# Allegro board HB1A-AAFM.brd (continued)
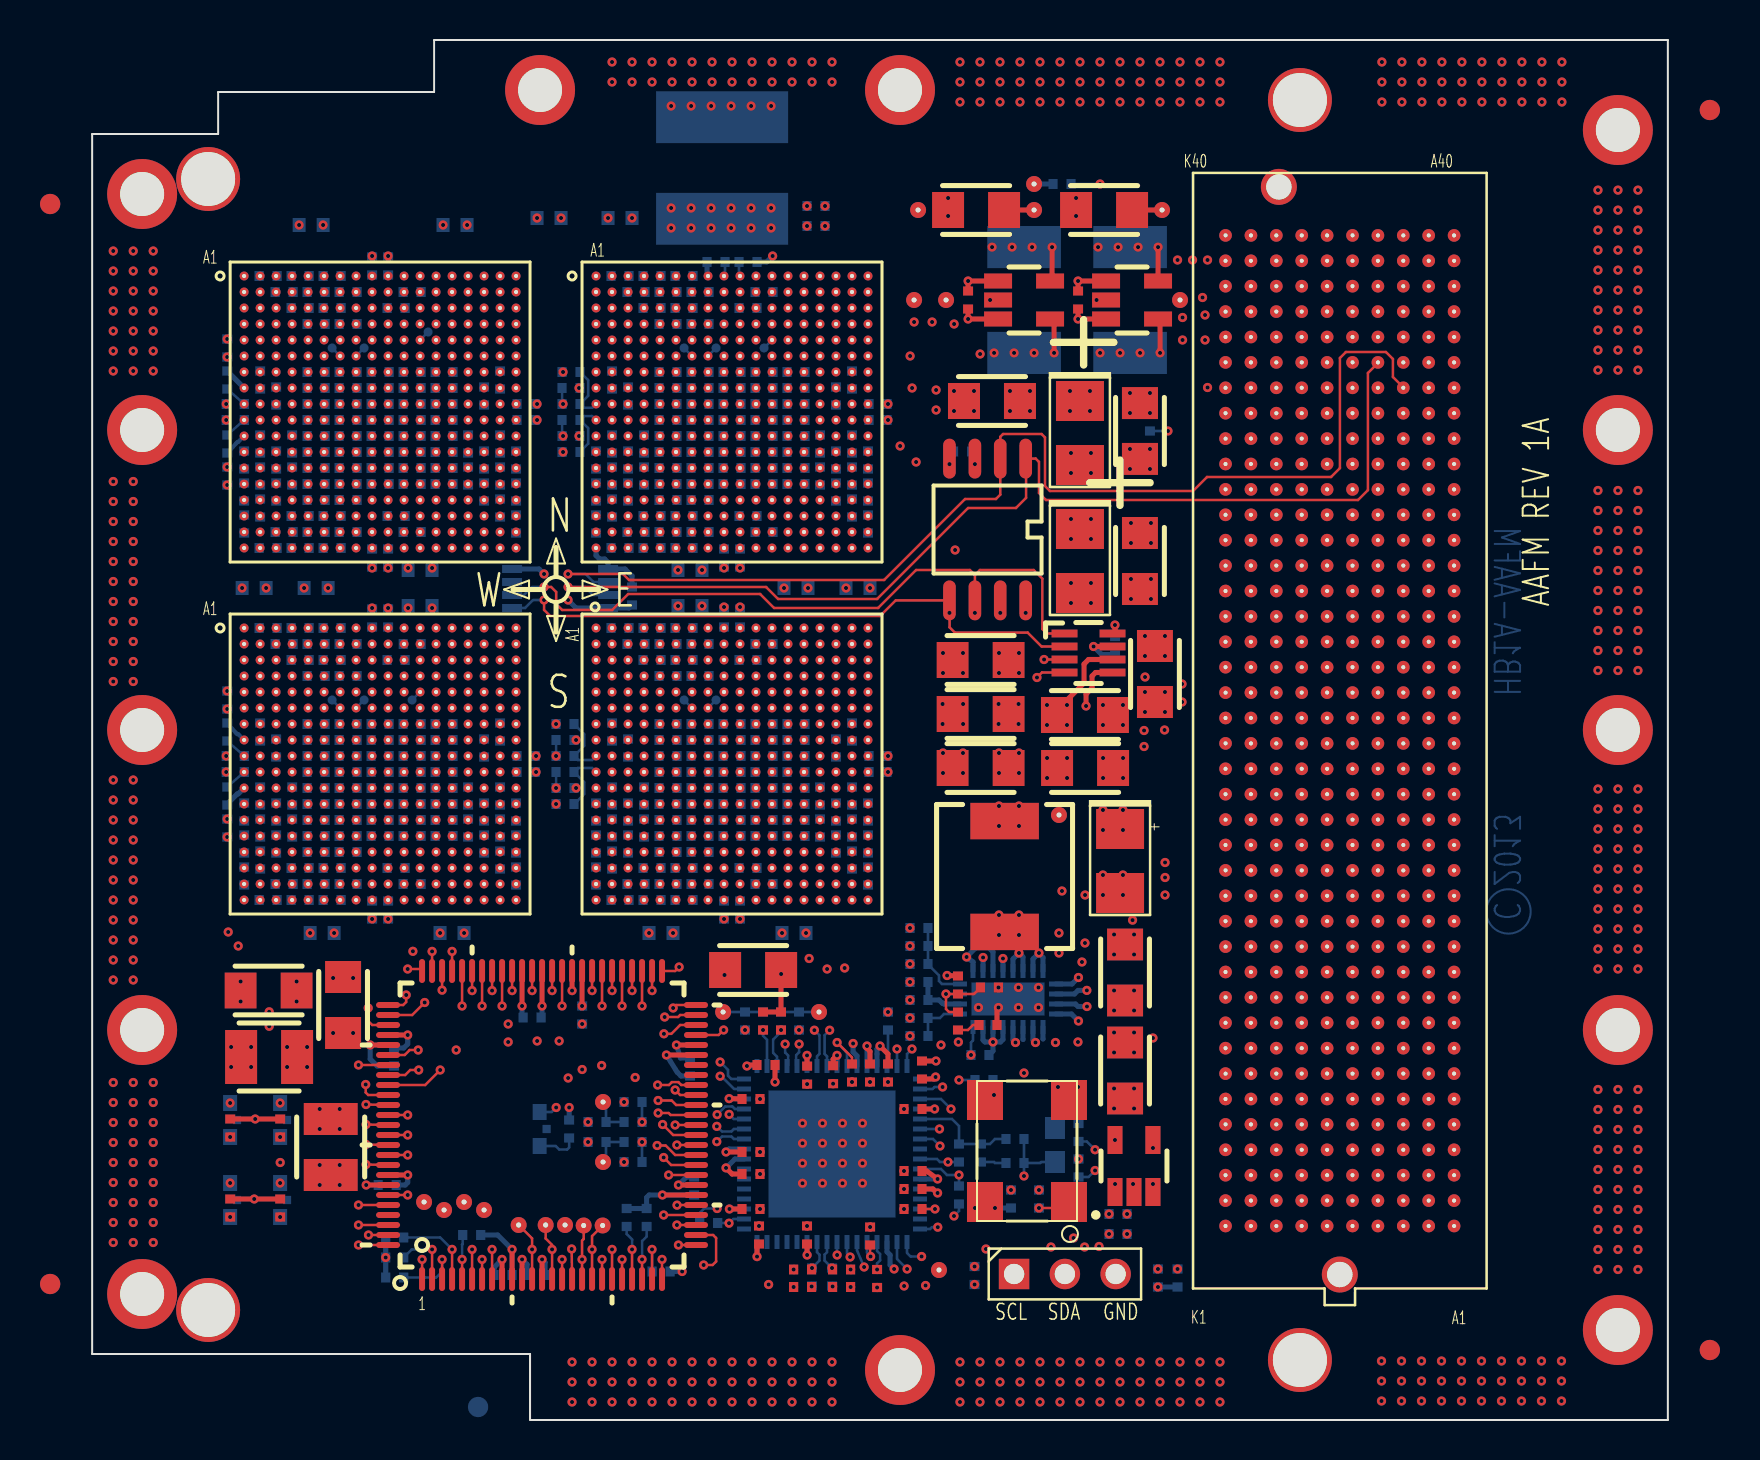
[diagram p0: board, top side]
## Routing (per net, layer and track width the routed paths; a pad name or vN(x,y) marks a point on that pad's centre or on a via; arc(x,y) is an arc through that point) (continued)
LR_UR_SN_DATA_N_2: length 55
  SIGNAL_L7-Y w0.089: U4.C4 27.2,55.2 25,55.2 24.8,55 24.8,54.6 25,54.4 27,54.4 27.2,54.2 27.2,43.27 27,43.07 27,42.79 27.2,42.59 27.2,42.31 27,42.11 27,41.83 27.2,41.63 27.2,41.41 27,41.21 27,40.93 27.2,40.73 27.2,40.55 26.95,40.3 26.95,40.1 27.2,39.85 27.2,29.8 27,29.6 24.95,29.6 24.8,29.45 24.8,29 25,28.8 27,28.8 27.2,28.6 27.2,28.2 27,28 25,28 24.8,27.8 24.8,27.4 25,27.2 27,27.2 27.2,27 27.2,25.6 27.6,25.2 30.6,25.2 31.15,24.65 32.75,24.65 33.1,25 35.4,25 36,25.6 36,26.4 U8.U14
LR_UR_SN_DATA_N_3: length 55
  SIGNAL_L4-Y w0.114: U4.D5 28.8,54.4 28.8,45.8 28.6,45.6 28.2,45.6 28,45.8 28,46.2 27.8,46.4 27.4,46.4 27.2,46.2 27.2,45.8 27,45.6 25.8,45.6 25.6,45.8 25.6,47 25.4,47.2 25,47.2 24.8,47 24.8,45.45 24.5,45.15 24.5,35.9 23.8,35.2 23.8,30.6 24.5,29.9 24.5,25.5 26.3,23.7 32.1,23.7 32.27,23.87 32.44,23.87 32.62,23.68 32.78,23.68 32.96,23.86 32.96,24.02 32.77,24.21 32.77,24.38 32.93,24.53 33.1,24.53 33.91,23.73 34.08,23.73 34.16,23.81 34.16,24.16 33.44,24.87 33.44,25.04 33.6,25.2 33.99,25.2 34.29,24.9 34.6,24.9 34.9,25.2 35.6,25.2 U8.V15
LR_UR_SN_DATA_N_4: length 54.8
  SIGNAL_L4-Y w0.114: U4.A4 28.16,57.76 28.16,58.44 28.51,58.8 34.55,58.8 34.95,58.4 35.17,58.4 35.29,58.52 35.29,58.68 35.41,58.8 35.65,58.8 35.77,58.68 35.77,58.52 35.89,58.4 36.13,58.4 36.25,58.52 36.25,58.68 36.37,58.8 36.61,58.8 36.73,58.68 36.73,58.52 36.85,58.4 37.09,58.4 37.21,58.52 37.21,58.68 37.33,58.8 37.57,58.8 37.69,58.68 37.69,58.52 37.81,58.4 38.03,58.4 38.15,58.52 38.15,58.68 38.27,58.8 38.51,58.8 38.63,58.68 38.63,58.38 38.79,58.22 38.96,58.22 39.16,58.42 39.33,58.42 39.5,58.25 39.5,58.08 39.3,57.88 39.3,57.71 39.61,57.4 39.91,57.4 40.03,57.28 40.03,57.04 39.91,56.92 39.52,56.92 39.41,56.8 39.41,56.56 39.52,56.44 39.91,56.44 40.03,56.32 40.03,56.08 39.91,55.96 39.52,55.96 39.41,55.84 39.41,55.6 39.52,55.48 39.91,55.48 40.03,55.36 40.03,55.12 39.91,55 39.52,55 39.41,54.88 39.41,54.64 39.52,54.52 39.91,54.52 40.03,54.4 40.03,54.16 39.91,54.04 39.52,54.04 39.41,53.92 39.41,53.68 39.52,53.56 39.91,53.56 40.03,53.44 40.03,53.2 39.91,53.08 39.52,53.08 39.41,52.96 39.41,52.72 39.52,52.6 39.91,52.6 40.03,52.48 40.03,52.24 39.91,52.12 39.52,52.12 39.41,52 39.41,42.59 39.58,42.42 39.58,40.98 39.41,40.8 39.41,29.16 39.05,28.8 36,28.8 U8.R14
LR_UR_SN_DATA_N_5: length 55
  SIGNAL_L11-Y w0.089: U8.T15 36.8,28 38.2,28 38.4,28.2 38.4,28.6 38.2,28.8 37,28.8 36.8,29 36.8,29.4 37,29.6 38.2,29.6 38.4,29.8 38.4,30.25 38.25,30.4 37,30.4 36.8,30.6 36.8,30.98 37,31.18 38.19,31.18 38.4,31.4 38.4,39.95 38.5,40.05 38.5,40.5 38.25,40.75 38.25,41.17 38.5,41.42 38.5,41.7 38.3,41.9 38.3,42.18 38.5,42.38 38.5,42.6 39.19,43.28 39.19,57.47 38.62,58.02 35.75,58.02 35.19,58.59 27.39,58.59 26.4,57.6 26.4,56.24 26.64,56 28,56 U4.B5
LR_UR_SN_DATA_N_6: length 55.4
  SIGNAL_L7-Y w0.089: U8.U16 37.6,27.2 37.6,30.2 37.8,30.4 38.2,30.4 38.41,30.6 38.41,31 38.2,31.2 37.8,31.2 37.6,31.41 37.6,31.8 37.8,32 38.2,32 38.41,32.2 38.41,32.6 38.2,32.8 37.8,32.8 37.6,33 37.6,33.4 37.8,33.6 38.2,33.6 38.41,33.8 38.41,34.2 38.2,34.4 37.8,34.4 37.6,34.61 37.6,40.7 37.5,40.8 37.3,40.8 37.1,41.01 37.1,42.84 37.58,43.33 37.58,54.18 37.78,54.38 38.97,54.38 39.2,54.6 39.2,55 39,55.2 38.6,55.2 38.4,55.4 38.4,55.8 38.41,55.8 38.6,56 39,56 39.2,56.2 39.2,56.6 39,56.8 38.6,56.8 38.4,57 38.4,57.4 38.2,57.6 37.8,57.6 37.6,57.4 37.6,55.4 37.4,55.2 36.2,55.2 36,55.4 36,57.4 35.7,57.7 35.41,57.7 35.2,57.5 35.2,57 35,56.8 34.6,56.8 34.41,57 34.41,57.5 34.2,57.7 33.39,57.7 33.22,57.88 33.03,57.88 32.86,57.7 29.1,57.7 28.8,57.4 28.8,56 U4.C6
LR_UR_SN_DATA_N_7: length 55
  SIGNAL_L4-Y w0.114: U4.D7 30.4,55.2 31,55.2 31.2,55 31.2,53.8 31.4,53.6 32.6,53.6 32.8,53.4 32.8,53 32.6,52.8 31.4,52.8 31.2,52.6 31.2,52.2 31.4,52 32.6,52 32.8,51.8 32.8,44.2 32.6,44 31.4,44 31.2,43.8 31.2,43.4 31,43.2 27.3,43.2 26.9,42.8 26.9,41.55 26.5,41.15 26.5,40.89 26.9,40.49 26.9,40.2 26.75,40.05 26.6,40.05 26.4,39.85 26.4,25.8 27,25.2 30,25.2 30.4,25.6 30.4,27 30.6,27.2 37.4,27.2 37.6,27 37.6,26.4 U8.V17
LR_UR_SN_DATA_P_0: length 55
  SIGNAL_L4-Y w0.114: U4.A3 26,58 25.3,58 24.8,57.5 24.8,55.4 25,55.2 29.4,55.2 29.6,55.4 29.6,57.4 29.79,57.59 34.94,57.59 35.25,57.9 38.1,57.9 38.4,57.6 38.4,43.24 38.2,43.05 38.2,42.77 38.4,42.56 38.4,42.28 38.2,42.09 38.2,41.8 38.4,41.6 38.4,30.6 38.2,30.4 33.8,30.4 33.6,30.2 33.6,28.8 U8.R11
LR_UR_SN_DATA_P_1: length 55.1
  SIGNAL_L11-Y w0.089: U8.T12 34.4,28 34.4,35.8 34.6,36 36.6,36 36.8,36.2 36.8,36.6 36.6,36.8 34.6,36.8 34.4,37 34.4,37.4 34.6,37.6 36.6,37.6 36.8,37.8 36.8,38.2 36.6,38.4 35.4,38.4 35.2,38.6 35.2,39 35.4,39.2 35.8,39.2 36,39.4 36,40 36.3,40.3 36.3,42.01 36.05,42.26 36.05,42.65 36.35,42.95 37.25,42.95 37.6,43.3 37.6,44.6 37.4,44.8 35.4,44.8 35.2,45 35.2,45.4 35.4,45.6 37.4,45.6 37.6,45.8 37.6,57.4 37.41,57.59 28.17,57.59 27.98,57.4 27.98,56.78 U4.B4
LR_UR_SN_DATA_P_2: length 54.9
  SIGNAL_L14-Y w0.114: U8.U13 34.4,26.4 30.6,26.4 30.4,26.6 30.4,27 30.2,27.2 29.8,27.2 29.6,27.4 29.6,27.8 29.4,28 28.2,28 28,28.2 28,41.25 27.8,41.45 27.8,42 27.4,42.4 26.55,42.4 26.4,42.55 26.4,43.05 26.55,43.2 28.6,43.2 28.8,43.4 28.8,43.8 28.6,44 25.8,44 25.6,44.2 25.6,44.6 25.8,44.8 28.6,44.8 28.8,45 28.8,45.4 28.6,45.6 25.8,45.6 25.6,45.8 25.6,46.2 25.8,46.4 28.6,46.4 28.8,46.6 28.8,47 28.6,47.2 28.2,47.2 28,47.4 28,47.8 28.2,48 28.6,48 28.8,48.2 28.8,48.6 28.6,48.8 28.2,48.8 28,49 28,49.4 28.2,49.6 28.6,49.6 28.8,49.8 28.8,50.2 28.6,50.4 28.2,50.4 28,50.6 28,51 28.2,51.2 28.6,51.2 28.8,51.4 28.8,51.8 28.6,52 28.2,52 28,52.2 28,55.2 U4.C5
LR_UR_SN_DATA_P_3: length 54.9
  SIGNAL_L4-Y w0.114: U4.D6 29.6,54.4 29.6,49 29.8,48.8 31,48.8 31.2,48.6 31.2,48.2 31,48 29.8,48 29.6,47.8 29.6,47.4 29.8,47.2 31,47.2 31.2,47 31.2,46.6 31,46.4 29.8,46.4 29.6,46.2 29.6,45.8 29.8,45.6 31,45.6 31.2,45.4 31.2,45 31,44.8 25.8,44.8 25.6,44.6 25.6,43.22 25.48,43.09 25.2,43.09 25.05,42.95 25.05,42.75 25.18,42.62 25.48,42.62 25.6,42.49 25.6,41.45 24.8,40.65 24.8,25.7 26.54,23.96 31.96,23.96 33.5,25.5 35.1,25.5 U8.V14
LR_UR_SN_DATA_P_4: length 55
  SIGNAL_L4-Y w0.114: U4.A5 28,56.8 27.4,56.8 27.2,57 27.2,58.15 27.35,58.3 27.7,58.3 28.5,59.1 39.2,59.1 40.38,57.91 40.38,49.84 39.8,49.25 39.8,48.96 39.8,48.95 39.8,48.45 39.8,48.44 39.8,40.83 39.62,40.65 39.62,34.08 40.2,33.5 40.2,32.15 39.62,31.57 39.62,28.62 39.2,28.2 39.2,26.6 39,26.4 38.6,26.4 38.4,26.6 38.4,27.8 38.2,28 35.2,28 U8.R13
LR_UR_SN_DATA_P_5: length 55
  SIGNAL_L14-Y w0.114: U4.B6 28.8,56 27.4,56 27.2,55.8 27.2,47.4 27,47.2 25,47.2 24.8,47 24.8,41.99 24.71,41.9 24.71,41.2 24.8,41.11 24.8,37 25,36.8 25.4,36.8 25.6,37 25.6,40.05 25.8,40.25 25.8,40.53 25.6,40.73 25.6,40.95 25.85,41.2 26.2,41.2 26.4,41 26.4,37.8 26.6,37.6 27,37.6 27.2,37.4 27.2,27.4 27.4,27.2 29.4,27.2 29.6,27 29.6,25.8 29.8,25.6 34.98,25.6 35.2,25.82 35.2,27 35.4,27.2 U8.T14
LR_UR_SN_DATA_P_6: length 55.2
  SIGNAL_L11-Y w0.089: U4.C7 29.6,55.2 25.8,55.2 25.6,55.4 25.6,57.55 26.86,58.81 32.46,58.81 32.7,59.05 35.18,59.05 35.93,58.3 38.72,58.3 39.41,57.62 39.41,40.41 39.2,40.2 39.2,27.4 39,27.2 36.8,27.2 U8.U15
LR_UR_SN_DATA_P_7: length 55
  SIGNAL_L4-Y w0.114: U8.V16 36.8,26.4 31.4,26.4 31.2,26.2 31.2,24.45 31,24.25 30.8,24.25 30.6,24.45 30.6,24.75 30.45,24.9 26.4,24.9 25.6,25.7 25.6,39.8 25.85,40.05 25.85,40.3 25.75,40.4 25.45,40.4 25.31,40.54 25.31,40.71 25.91,41.31 25.91,41.99 26.03,42.11 26.48,42.11 26.6,42.23 26.6,42.47 26.48,42.59 26.03,42.59 25.91,42.71 25.91,42.86 26.4,43.35 26.4,43.8 26.6,44 31,44 31.2,44.2 31.2,44.6 31.4,44.8 31.8,44.8 32,45 32,49.4 31.8,49.6 30.6,49.6 30.4,49.8 30.4,50.2 30.58,50.38 31.83,50.38 32,50.55 32,51 31.8,51.2 30.6,51.2 30.4,51.4 30.4,54.4 U4.D8
LR_UR_SN_FRAME_N: length 55
  SIGNAL_L11-Y w0.089: U4.B7 30.4,56 30.4,54.6 30.2,54.4 23.3,54.4 23.05,54.15 23.05,35.55 22.8,35.3 22.8,30.4 23.1,30.1 23.45,30.1 24.2,29.35 24.2,25.6 25.2,24.6 26.9,24.6 27.54,23.96 32.95,23.96 34.4,25.41 34.4,27.1 34.3,27.2 33,27.2 32.8,27.4 32.8,28 U8.R10
LR_UR_SN_FRAME_P: length 55
  SIGNAL_L14-Y w0.114: U8.R9 31.2,28 30.6,28 30.4,28.2 30.4,29.4 30.6,29.6 31,29.6 31.2,29.8 31.2,30.2 31,30.4 30.6,30.4 30.4,30.6 30.4,31 30.2,31.2 29.8,31.2 29.6,31.4 29.6,31.8 29.8,32 30.2,32 30.4,32.2 30.4,32.6 30.2,32.8 29.8,32.8 29.6,33 29.6,33.4 29.8,33.6 30.2,33.6 30.4,33.8 30.4,34.2 30.2,34.4 29.8,34.4 29.6,34.6 29.6,35 29.8,35.2 30.2,35.2 30.4,35.4 30.4,35.8 30.2,36 29.8,36 29.6,36.2 29.6,36.6 29.8,36.8 30.2,36.8 30.4,37 30.4,37.4 30.2,37.6 29.8,37.6 29.6,37.8 29.6,38.2 29.8,38.4 30.2,38.4 30.4,38.6 30.4,39 30.2,39.2 29.8,39.2 29.6,39.4 29.6,39.95 29.96,40.31 30.66,40.31 30.89,40.54 30.89,40.54 31.4,41.05 32.5,41.05 32.65,41.2 32.65,41.4 32.5,41.55 32.14,41.55 32.02,41.67 32.02,42.08 31.9,42.2 31.66,42.2 31.54,42.08 31.54,41.67 31.42,41.55 31.2,41.55 30.85,41.2 29.3,41.2 29.15,41.35 29.15,41.6 29.3,41.75 29.52,41.75 29.65,41.88 29.65,42.1 29.8,42.25 30,42.25 30.12,42.13 30.12,41.87 30.24,41.75 30.7,41.75 31.1,42.15 31.1,42.7 30.8,43 30.5,43 30.4,43.1 30.4,43.8 30.6,44 31,44 31.2,44.2 31.2,44.6 31,44.8 30.6,44.8 30.4,45 30.4,45.4 30.6,45.6 31,45.6 31.2,45.8 31.2,46.2 31,46.4 30.6,46.4 30.4,46.6 30.4,47 30.6,47.2 31,47.2 31.2,47.4 31.2,47.8 31,48 30.6,48 30.4,48.2 30.4,48.6 30.61,48.81 31.01,48.81 31.2,49 31.2,49.4 31,49.6 30.6,49.6 30.4,49.8 30.4,50.2 30.6,50.4 31,50.4 31.2,50.6 31.2,51 31,51.2 30.6,51.2 30.4,51.4 30.4,51.8 30.6,52 31,52 31.2,52.2 31.2,52.6 31,52.8 30.6,52.8 30.4,53 30.4,53.4 30.6,53.6 31,53.6 31.2,53.8 31.2,54.2 31,54.4 30.6,54.4 30.4,54.6 30.4,56 U4.B8
LR_UR_SN_LCLK_N: length 55
  SIGNAL_L7-Y w0.089: U8.V13 34.4,25.6 33,25.6 32.8,25.8 32.8,33.4 32.6,33.6 30.6,33.6 30.4,33.8 30.4,34.2 30.6,34.4 32.6,34.4 32.8,34.6 32.8,35 32.6,35.2 30.6,35.2 30.4,35.4 30.4,35.8 30.6,36 32.6,36 32.8,36.2 32.8,36.6 32.6,36.8 30.6,36.8 30.4,37 30.4,37.4 30.6,37.6 32.6,37.6 32.8,37.8 32.8,38.2 32.6,38.4 30.6,38.4 30.4,38.6 30.4,39.9 30.95,40.45 30.95,40.95 31.27,41.27 31.5,41.27 31.72,41.5 31.98,41.5 32.2,41.27 32.52,41.27 32.8,41.55 32.8,47.8 32.6,48 32.2,48 32,48.2 32,48.6 32.2,48.8 32.6,48.8 32.8,49 32.8,55.8 32.6,56 29.8,56 29.6,56.2 29.6,56.8 U4.A6
LR_UR_SN_LCLK_P: length 55
  SIGNAL_L7-Y w0.089: U4.A7 30.4,56.8 33.4,56.8 33.61,56.58 33.61,41.65 33.85,41.41 33.85,40.95 33.4,40.5 33.25,40.5 32.8,40.05 32.8,39.4 33,39.2 35,39.2 35.2,39 35.2,38.6 35,38.4 33.8,38.4 33.61,38.22 33.61,37.8 33.81,37.6 35,37.6 35.2,37.4 35.2,37 35,36.8 33.8,36.8 33.61,36.62 33.61,36.2 33.81,36 35,36 35.2,35.8 35.2,35.4 35,35.2 33.8,35.2 33.61,35.02 33.61,34.6 33.81,34.4 35,34.4 35.2,34.2 35.2,33.8 35,33.6 33.8,33.6 33.61,33.41 33.61,33 33.81,32.8 35,32.8 35.2,32.6 35.2,32.2 35,32 33.8,32 33.61,31.82 33.61,31.4 33.81,31.2 35,31.2 35.2,31 35.2,30.6 35,30.4 33.8,30.4 33.61,30.21 33.61,29.8 33.81,29.6 35,29.6 35.2,29.4 35.2,29 35,28.8 33.8,28.8 33.61,28.61 33.61,26.39 U8.V12
LR_UR_SN_RD_WAIT_N: length 55
  SIGNAL_L11-Y w0.089: U4.B9 31.2,56 31.2,53.8 31,53.6 24.2,53.6 23.96,53.36 23.96,50.86 24.08,50.74 24.43,50.74 24.55,50.62 24.55,50.38 24.43,50.26 24.08,50.26 23.96,50.14 23.96,47.03 24.08,46.91 24.38,46.91 24.5,46.79 24.5,46.55 24.38,46.43 24.08,46.43 23.96,46.31 23.96,46.07 24.08,45.95 24.38,45.95 24.5,45.83 24.5,45.59 24.38,45.47 24.08,45.47 23.96,45.35 23.96,45.11 24.08,44.99 24.38,44.99 24.5,44.87 24.5,44.63 24.38,44.51 24.08,44.51 23.96,44.39 23.96,43.21 23.4,42.65 23.4,39.96 23.75,39.61 23.75,37.39 23.96,37.18 23.96,36.96 23.84,36.84 23.62,36.84 23.5,36.72 23.5,36.48 23.62,36.36 23.84,36.36 23.96,36.24 23.96,36 23.84,35.88 23.62,35.88 23.5,35.76 23.5,35.52 23.75,35.27 23.75,30.45 24.5,29.7 24.5,25.7 25.3,24.9 30.3,24.9 31,24.2 32.8,24.2 33.6,25 33.6,26.4 U8.U12
LR_UR_SN_RD_WAIT_P: length 54.9
  SIGNAL_L11-Y w0.089: U4.B10 32,56 32,53 31.8,52.8 25,52.8 24.8,52.6 24.8,47.98 24.68,47.86 24.37,47.86 24.25,47.74 24.25,47.5 24.37,47.38 24.68,47.38 24.8,47.26 24.8,43.9 24.6,43.7 24.6,42.41 24.4,42.21 24.4,41.93 24.6,41.73 24.6,41.2 24.25,40.85 24.25,40.5 24.45,40.3 24.65,40.3 24.8,40.15 24.8,39.85 24.68,39.73 24.37,39.73 24.25,39.61 24.25,39.37 24.37,39.25 24.68,39.25 24.8,39.13 24.8,38.89 24.68,38.77 24.37,38.77 24.25,38.65 24.25,38.41 24.37,38.29 24.68,38.29 24.8,38.17 24.8,37.93 24.68,37.81 24.37,37.81 24.25,37.69 24.25,37.45 24.37,37.33 24.68,37.33 24.8,37.21 24.8,36.97 24.68,36.85 24.37,36.85 24.25,36.73 24.25,36.49 24.37,36.37 24.68,36.37 24.8,36.25 24.8,36.01 24.68,35.89 24.37,35.89 24.25,35.77 24.25,35.53 24.37,35.41 24.68,35.41 24.8,35.29 24.8,32.84 24.68,32.72 24.37,32.72 24.25,32.6 24.25,32.36 24.37,32.24 24.68,32.24 24.8,32.12 24.8,25.8 25.4,25.2 30.5,25.2 31.1,24.6 32.6,24.6 32.8,24.8 32.8,26.4 U8.U11
LR_UR_SN_WR_WAIT_N: length 55
  SIGNAL_L14-Y w0.114: U8.T11 32.8,28 32.8,30.2 33,30.4 33.4,30.4 33.6,30.6 33.6,31 33.4,31.2 32.2,31.2 32,31.4 32,31.8 32.2,32 33.4,32 33.6,32.2 33.6,32.6 33.4,32.8 32.2,32.8 32,33 32,33.4 32.2,33.6 34.2,33.6 34.4,33.8 34.4,34.2 34.2,34.4 32.2,34.4 32,34.6 32,35 32.2,35.2 34.2,35.2 34.4,35.4 34.4,35.8 34.2,36 32.2,36 32,36.2 32,36.6 32.2,36.8 34.2,36.8 34.4,37 34.4,37.4 34.2,37.6 32.2,37.6 32,37.8 32,38.2 32.2,38.4 34.2,38.4 34.4,38.6 34.4,39 34.2,39.2 33,39.2 32.8,39.4 32.8,39.8 33,40 33.95,40 34.15,40.2 34.15,40.34 34.27,40.46 34.91,40.46 35.05,40.6 35.05,40.8 34.9,40.95 34.26,40.95 34.15,41.06 34.15,42.5 33.6,43.05 33.1,43.05 32.8,43.35 32.8,54.2 32.6,54.4 32.2,54.4 32,54.6 32,55.8 31.8,56 31.2,56 U4.C8
LR_UR_SN_WR_WAIT_P: length 55
  SIGNAL_L14-Y w0.114: U4.C9 31.2,55.2 31.2,54.6 31.4,54.4 31.8,54.4 32,54.2 32,53.8 31.8,53.6 31.4,53.6 31.2,53.4 31.2,53 31.4,52.8 31.8,52.8 32,52.6 32,52.2 31.8,52 31.4,52 31.2,51.8 31.2,51.4 31.4,51.2 31.8,51.2 32,51 32,50.6 31.8,50.4 31.4,50.4 31.2,50.2 31.2,49.8 31.4,49.6 31.8,49.6 32,49.4 32,49 31.8,48.8 31.4,48.8 31.2,48.6 31.2,48.2 31.4,48 31.8,48 32,47.8 32,47.4 31.8,47.2 31.4,47.2 31.2,47 31.2,46.6 31.4,46.4 31.8,46.4 32,46.2 32,45.8 31.8,45.6 31.4,45.6 31.2,45.4 31.2,45 31.4,44.8 31.83,44.8 31.98,44.65 31.98,44.19 31.8,44 31.4,44 31.2,43.8 31.2,43.4 31.4,43.2 32.6,43.2 33,42.8 33,40.4 32.6,40 30.6,40 30.4,39.8 30.4,39.4 30.6,39.2 31.8,39.2 32,39 32,38.6 31.8,38.4 30.6,38.4 30.4,38.2 30.4,37.8 30.6,37.6 31.8,37.6 32,37.4 32,37 31.8,36.8 30.6,36.8 30.4,36.6 30.4,36.2 30.6,36 31.8,36 32,35.8 32,35.4 31.8,35.2 30.6,35.2 30.4,35 30.4,34.6 30.6,34.4 31.8,34.4 32,34.2 32,33.8 31.8,33.6 30.6,33.6 30.4,33.4 30.4,33 30.6,32.8 31.8,32.8 32,32.6 32,32.2 31.8,32 30.6,32 30.4,31.8 30.4,31.4 30.6,31.2 31.8,31.2 32,31 32,28 U8.T10
LR_XID3: length 38.3
  TOP w0.127: U9.90 v1(13.7,13.78)
  SIGNAL_L5-X w0.114: v1(13.7,13.78) 16.95,13.75 21.3,18.1 21.3,19.3 v1(20.8,19.8)
  SIGNAL_L8-X w0.089: v1(20.8,19.8) 20,20.6 20,20.88 20.53,21.4 20.53,22.73 21.58,23.77 29.13,23.77 30.4,25.05 30.4,36 30,36.4 U8.E7
LR_YID3: length 39
  TOP w0.127: U9.96 v1(13.32,10.75)
  SIGNAL_L4-Y w0.114: v1(13.32,10.75) 13.85,10.75 14.28,10.32 16.68,10.32 17.29,10.94 17.29,12.59 20.85,16.15 24.6,16.15 25.48,17.02 v1(25.48,17.73)
  SIGNAL_L12-X w0.089: v1(25.48,17.73) 26.18,17.73 27.28,18.82 27.28,19.88 31.2,23.8 31.2,35 31.4,35.2 U8.F9
MVDD_2611: length 0.6
  BOTTOM w0.127: TP30.1 U3.F8
MVDD_8849: length 0.6
  BOTTOM w0.127: TP14.1 U8.F8
MVDD_11343: length 0.6
  BOTTOM w0.127: TP13.1 U4.F8
MVDD_12570: length 0.6
  BOTTOM w0.127: TP31.1 U7.F8
MVSS_2612: length 0.6
  BOTTOM w0.127: TP32.1 U3.F7
MVSS_8850: length 0.6
  BOTTOM w0.127: TP16.1 U8.F7
MVSS_11344: length 0.6
  BOTTOM w0.127: TP15.1 U4.F7
MVSS_12571: length 0.6
  BOTTOM w0.127: TP33.1 U7.F7
N6943060_11546: length 0.7
  BOTTOM w0.127: U4.A9 31.65,57.25 R88.2
N6943064_11536: length 0.7
  BOTTOM w0.127: U4.A10 32.35,57.25 R74.2
Net_644: length 1.6
  BOTTOM w0.127: v1(40.75,7.55) 40.25,8.05 40.25,8.9
PGOOD_1V0: length 46.8
  TOP w0.127: U9.98 v1(13.32,9.75)
  SIGNAL_L11-Y w0.089: v1(44.7,8.55) 44.7,11.2 43.95,11.95 v1(43.95,18.25)
  SIGNAL_L12-X w0.089: v1(44.7,8.55) 44,8.55 43.95,8.5 42.6,8.5 41.23,7.12 34.88,7.12 33.35,8.65 32.2,8.65 30.65,10.2 29.2,10.2 28.68,10.72 20.73,10.72 19.75,9.75 v1(13.32,9.75)
  BOTTOM w0.127: U11.20 44.05,18.98 43.95,18.88 v1(43.95,18.25)
PVADJ: length 38.3
  TOP w0.254: U9.9 v1(20.5,8.03) ; U9.80 v1(13.91,18.75) ; U9.13 v1(22.5,8.03) ; U6.5 50.18,37.38 50,37.2 50,36.6 49.7,36.3 v1(49.7,35.7) ; U9.63 v1(22.5,20.7) ; U9.31 v1(28.52,11.25) ; U9.45 v1(28.72,18.25) ; U9.94 v1(13.7,11.75) ; v1(48.1,53.35) 48.1,55.05 U1.4 ; U9.59 v1(24.5,20.7)
  PWR_L2 w0.254: 58.83,59.62 P1.H40 ; P1.H40 58.83,58.84 ; P1.H40 59.61,58.84 ; P1.H40 59.61,59.62 ; 60.1,58.35 P1.G39 ; P1.G39 60.88,58.35 ; P1.G39 60.88,57.57 ; P1.G39 60.1,57.57 ; 46.66,62.25 TP1.1 ; TP1.1 47.55,62.25 ; TP1.1 46.66,61.35 ; TP1.1 47.55,61.35 ; P1.E39 63.42,58.35 ; P1.E39 62.64,57.57 ; P1.E39 63.42,57.57 ; P1.E39 62.64,58.35 ; 61.37,58.84 P1.F40 ; P1.F40 62.15,58.84 ; P1.F40 62.15,59.62 ; P1.F40 61.37,59.62
  BOTTOM w0.254: C180.1 14.25,17.7 13.91,18.05 v1(13.91,18.75) ; C118.1 29.45,17.2 29.25,17.4 v1(28.72,18.25) ; v1(22.5,8.03) 22.65,7.88 C141.1 ; v1(22.5,20.7) 22.5,20.17 C142.1 ; C136.1 v1(28.52,11.25) 27.85,11.25 27.73,11.12 R298.2 R297.2 ; C181.1 v1(13.7,11.75) ; v1(20.5,8.03) 20.1,7.63 C143.1 ; R18.2 TP1.1
  vias: v1(9.75,18.65) v1(9.75,17.65) v1(10.75,18.65) v1(10.75,17.65) v1(11.38,15.55) v1(11.38,14.55) v1(12.38,15.55) v1(12.38,14.55) v1(35.75,60.7) v1(40.9,23.7) v1(45.1,53.35) v1(45.9,51.45) v1(45.9,50.45) v1(46.1,53.35) v1(46.9,51.45) v1(46.9,50.45) v1(47.1,53.35) v1(48.9,51.45) v1(48.9,50.45) v1(49.33,13.05) v1(49.9,51.45) v1(49.9,50.45) v1(50.85,10.3) v1(51.9,51.35) v1(51.9,50.35) v1(52.9,51.35) v1(52.9,50.35)
REF_OSC: length 5
  SIGNAL_L12-X w0.089: v1(43.35,17) 42.8,17.55 41.6,17.55 41,18.15 v1(41,18.55)
  BOTTOM w0.127: U12.64 40.75,18.3 v1(41,18.55) ; R22.2 v1(43.35,17)
REFCLK_C2M: length 15.1
  SIGNAL_L12-X w0.089: v1(51.15,14) 49.6,15.55 47.8,15.55 43.66,19.7 40.55,19.7 40.25,19.4 v1(40.25,18.55)
  BOTTOM w0.127: U12.63 v1(40.25,18.55)
RIGHT_CCLK_STUB_N: length 2
  BOTTOM w0.127: R131.2 R152.1 25.7,13.05 TP18.1
RIGHT_CCLK_STUB_P: length 2
  BOTTOM w0.127: R130.2 R151.1 25.7,15.75 TP17.1
SS_1V0: length 4
  BOTTOM w0.127: R27.2 R28.2 R29.1 41.8,22.78 42.35,22.23 42.35,21.95 42.5,21.8 U11.24
UL_CCLK_N: length 1.1
  BOTTOM w0.127: U3.K1 R288.1
UL_CCLK_P: length 1.1
  BOTTOM w0.127: U3.J1 R283.1
UL_CSBI_XID0: length 64.2
  TOP w0.127: U9.1 v1(16.5,8.03)
  SIGNAL_L12-X w0.089: U3.F12 16.4,53.2 16,52.8 16,52.2 15.8,52 6.75,52 5.95,51.2 5.95,45.72 5.57,45.33 5.57,38.32 5.98,37.9 5.98,25.72 6.5,25.2 7.5,25.2 9.13,23.57 10.53,23.57 11.33,22.77 11.33,18.85 11.8,18.38 11.8,9.22 13.33,7.7 15.68,7.7 16.01,8.03 v1(16.5,8.03)
UL_CSBO_YID0: length 73.1
  TOP w0.127: U9.55 v1(26.5,20.7)
  SIGNAL_L15-X w0.114: v1(26.5,20.7) 24.3,18.5 21.98,18.5 21.13,19.35 17.18,19.35 16.33,20.2 15.57,20.2 13.07,22.7 6.6,22.7 5.23,24.07 5.23,36.4 3.96,37.66 3.96,45.58 5.25,46.87 5.25,56.15 7,57.9 13.5,57.9 13.7,57.7 14.2,57.7 14.41,57.5 14.41,54.4 14.8,54.01 U3.E10
UL_FLAG_DSP: length 79.1
  TOP w0.127: U9.6 v1(19,8.53)
  SIGNAL_L5-X w0.114: v1(19,8.53) 19,8.53 19,7.55 18.55,7.1 8.66,7.1 5.23,10.53 5.23,25.02 4.88,25.38 4.88,33.05 5.23,33.4 5.23,37.4 4.5,38.12 4.5,46.5 5.71,47.7 5.71,55.8 6.7,56.8 16.6,56.8 16.8,56.6 16.8,54.4 16.41,54 U3.E12
  BOTTOM w0.127: TP27.1 U3.E12
UL_LL_NS_DATA_N_0: length 49.9
  SIGNAL_L14-Y w0.114: U3.D11 16,54.6 16.2,54.4 16.6,54.4 16.8,54.6 16.8,55.8 17,56 19,56 19.2,55.8 19.2,55.4 19.4,55.2 19.8,55.2 20,55 20,54.6 20.2,54.4 20.6,54.4 20.8,54.2 20.8,25.8 18.9,23.9 10.75,23.9 9.2,25.45 U7.V3
UL_LL_NS_DATA_N_1: length 49
  SIGNAL_L7-Y w0.089: U7.U4 10.4,26.4 10.4,25.7 10.6,25.5 15.06,25.5 15.26,25.3 17.1,25.3 17.6,25.8 17.6,27.05 17.45,27.2 16.95,27.2 16.8,27.35 16.8,27.85 16.95,28 18.2,28 18.4,28.2 18.4,30.2 18.2,30.4 17.8,30.4 17.6,30.6 17.6,31 17.8,31.2 18.2,31.2 18.4,31.39 18.4,41.9 18.1,42.2 18.1,42.9 18.4,43.2 18.4,47 18.2,47.2 17,47.2 16.8,47.4 16.8,47.8 17,48 18.2,48 18.4,48.2 18.4,48.6 18.2,48.8 17,48.8 16.8,49 16.8,49.4 17,49.6 18.2,49.6 18.4,49.8 18.4,50.2 18.2,50.4 17,50.4 16.8,50.6 16.8,55.2 U3.C12
UL_LL_NS_DATA_N_2: length 49.5
  SIGNAL_L11-Y w0.089: U7.T5 10.4,27.2 9.7,27.2 9.59,27.31 9.59,31.04 9.75,31.2 13.4,31.2 13.6,31.4 13.6,31.8 13.4,32 13,32 12.8,32.2 12.8,32.6 13,32.8 13.4,32.8 13.6,33 13.6,33.4 13.4,33.6 13,33.6 12.8,33.8 12.8,34.2 13,34.4 13.4,34.4 13.6,34.6 13.6,35 13.4,35.2 9.78,35.2 9.59,35.4 9.59,39.81 9.35,40.05 9.35,40.22 9.59,40.45 9.59,40.59 9.46,40.71 9.27,40.71 9.15,40.83 9.15,41.07 9.27,41.19 9.46,41.19 9.59,41.31 9.59,41.53 9.46,41.65 9.27,41.65 9.15,41.77 9.15,42.01 9.27,42.13 9.46,42.13 9.59,42.25 9.59,42.49 9.46,42.61 9.27,42.61 9.15,42.73 9.15,42.97 9.27,43.09 9.46,43.09 9.59,43.21 9.59,50.19 9.8,50.4 16.6,50.4 16.8,50.6 16.8,56 U3.B13
UL_LL_NS_DATA_N_3: length 49.4
  SIGNAL_L4-Y w0.114: U7.R6 12,28.8 12,35.8 12.2,36 18.2,36 18.4,36.2 18.4,36.6 18.2,36.8 12.2,36.8 12,37 12,37.4 12.2,37.6 18.2,37.6 18.4,37.8 18.4,39.98 18.52,40.1 18.78,40.1 18.9,40.23 18.9,40.47 18.78,40.59 18.52,40.59 18.4,40.7 18.4,40.95 18.52,41.06 18.78,41.06 18.9,41.19 18.9,41.42 18.78,41.55 18.52,41.55 18.4,41.66 18.4,41.88 18.8,42.28 18.8,42.65 18.4,43.05 18.4,56.8 U3.A14
UL_LL_NS_DATA_N_4: length 49.3
  SIGNAL_L14-Y w0.114: U7.V5 11.5,25.3 12.8,25.3 13.46,24.64 16.24,24.64 16.82,25.22 18.02,25.22 18.4,25.6 18.4,27.8 18.2,28 17.8,28 17.6,28.2 17.6,28.6 17.8,28.8 18.2,28.8 18.4,29 18.4,29.4 18.2,29.6 17.8,29.6 17.6,29.8 17.6,30.2 17.8,30.4 18.2,30.4 18.4,30.6 18.4,31 18.2,31.2 17.8,31.2 17.6,31.4 17.6,31.8 17.8,32 18.2,32 18.4,32.2 18.4,32.6 18.2,32.8 17.8,32.8 17.6,33 17.6,33.4 17.8,33.6 18.2,33.6 18.4,33.8 18.4,34.2 18.2,34.4 17.8,34.4 17.6,34.6 17.6,35 17.8,35.2 18.2,35.2 18.4,35.4 18.4,35.8 18.2,36 17.8,36 17.6,36.2 17.6,36.6 17.78,36.78 18.18,36.78 18.4,37 18.4,40.55 18.65,40.8 18.65,41.03 18.4,41.28 18.4,41.48 18.65,41.73 18.65,41.97 18.45,42.17 18.45,43.1 18.34,43.22 16.98,43.22 16.8,43.4 16.8,43.8 17,44 18.2,44 18.4,44.2 18.4,44.6 18.2,44.8 17,44.8 16.8,45 16.8,54.2 17,54.4 U3.D13
UL_LL_NS_DATA_N_5: length 49.8
  SIGNAL_L14-Y w0.114: U7.U6 11.2,26.4 10.6,26.4 10.4,26.2 10.4,25.7 11.02,25.08 12.52,25.08 13.18,24.42 16.46,24.42 17.04,25 18.4,25 19.2,25.8 19.2,45.45 19.05,45.6 17.8,45.6 17.6,45.8 17.6,46.2 17.8,46.4 19,46.4 19.2,46.6 19.2,47 19,47.2 17.8,47.2 17.6,47.4 17.6,47.8 17.8,48 19,48 19.2,48.2 19.2,48.6 19,48.8 17.8,48.8 17.6,49 17.6,49.4 17.8,49.6 18.2,49.6 18.4,49.8 18.4,50.2 18.2,50.4 17.8,50.4 17.6,50.6 17.6,55.08 U3.C14
UL_LL_NS_DATA_N_6: length 49.5
  SIGNAL_L11-Y w0.089: U7.T7 12,27.2 11.32,27.2 11.2,27.32 11.2,29.4 11.4,29.6 15,29.6 15.2,29.8 15.2,36.6 15,36.8 11.4,36.8 11.2,37 11.2,47 11.4,47.2 15.8,47.2 16,47.4 16,47.8 15.8,48 13.8,48 13.6,48.2 13.6,48.6 13.8,48.8 18.2,48.8 18.4,49 18.4,56 U3.B15
UL_LL_NS_DATA_N_7: length 49.5
  SIGNAL_L4-Y w0.114: U3.A16 20,56.8 20,43.16 19.88,43.04 19.62,43.04 19.5,42.92 19.5,42.68 19.62,42.56 19.88,42.56 20,42.44 20,42.2 19.88,42.08 19.62,42.08 19.5,41.96 19.5,41.72 19.62,41.6 19.88,41.6 19.88,41.6 20.2,41.6 20.35,41.45 20.35,40.25 20,39.9 20,33 19.8,32.8 13.8,32.8 13.6,32.6 13.6,32.2 13.8,32 19.8,32 20,31.8 20,31.4 19.8,31.2 13.8,31.2 13.6,31 13.6,28.8 U7.R8
UL_LL_NS_DATA_P_0: length 49.9
  SIGNAL_L14-Y w0.114: U3.D12 16,55.2 16,57.4 15.59,57.81 6.91,57.81 5.83,56.73 5.83,26.93 6.35,26.4 7.91,26.4 8,26.5 8,27 8.2,27.2 9.4,27.2 9.6,27 9.6,26.6 9.4,26.4 8.8,26.4 U7.V2
UL_LL_NS_DATA_P_1: length 49.1
  SIGNAL_L7-Y w0.089: U3.C13 17.6,55.2 17.6,54.6 17.8,54.4 19,54.4 19.2,54.2 19.2,53.8 19,53.6 17.8,53.6 17.6,53.4 17.6,53 17.8,52.8 19,52.8 19.2,52.6 19.2,52.2 19,52 18.6,52 18.41,51.8 18.41,51.4 18.6,51.2 19,51.2 19.2,51 19.2,31.39 19,31.2 18.6,31.2 18.41,31 18.41,30.6 18.6,30.4 19,30.4 19.2,30.2 19.2,25.8 18.18,24.78 15.88,24.78 15.5,24.4 13.3,24.4 12.8,24.9 9.55,24.9 8.8,25.65 8.8,26.4 U7.U3
UL_LL_NS_DATA_P_2: length 49.5
  SIGNAL_L11-Y w0.089: U3.B14 17.6,56 17.6,49.8 17.4,49.6 10.6,49.6 10.4,49.4 10.4,49 10.6,48.8 12.6,48.8 12.8,48.6 12.8,48.2 12.6,48 10.6,48 10.4,47.8 10.4,43.22 10.28,43.09 10.07,43.09 9.95,42.98 9.95,42.73 10.07,42.62 10.28,42.62 10.4,42.49 10.4,42.05 10.2,41.85 10.2,41.35 10.4,41.15 10.4,40.7 10.28,40.59 10.02,40.59 9.9,40.47 9.9,40.23 10.02,40.1 10.28,40.1 10.4,39.98 10.4,36.2 10.6,36 14.2,36 14.4,35.8 14.4,30.6 14.2,30.4 10.6,30.4 10.4,30.2 10.4,28 U7.T4
UL_LL_NS_DATA_P_3: length 49.6
  SIGNAL_L4-Y w0.114: U3.A15 18.4,57.6 17.8,57.6 17.6,57.4 17.6,43.22 17.72,43.09 17.88,43.09 18,42.98 18,42.73 17.88,42.62 17.72,42.62 17.6,42.49 17.6,40.2 17.38,39.98 11.44,39.98 11.2,39.74 11.2,39.4 11.4,39.2 17.4,39.2 17.6,39 17.6,38.6 17.4,38.4 11.4,38.4 11.2,38.2 11.2,28.8 U7.R5
UL_LL_NS_DATA_P_4: length 49.1
  SIGNAL_L14-Y w0.114: U3.D14 18.4,54.4 19.8,54.4 20,54.2 20,53.8 19.8,53.6 18.6,53.6 18.4,53.4 18.4,53 18.6,52.8 19.8,52.8 20,52.6 20,52.2 19.8,52 18.6,52 18.4,51.8 18.4,51.4 18.6,51.2 19.8,51.2 20,51 20,50.55 19.85,50.4 19.35,50.4 19.2,50.25 19.2,49.8 19.4,49.6 19.8,49.6 20,49.4 20,25.7 19.04,24.74 17.24,24.74 16.7,24.2 12.9,24.2 12.24,24.86 10.64,24.86 10,25.5 U7.V4
UL_LL_NS_DATA_P_5: length 49.6
  SIGNAL_L7-Y w0.089: U3.C15 19.2,56 19.2,57.5 18.6,58.1 15.6,58.1 15.1,58.6 13.6,58.6 13.1,58.1 10.9,58.1 10.4,57.6 10.4,47.4 10.6,47.2 11.8,47.2 12,47 12,46.6 11.8,46.4 10.6,46.4 10.4,46.2 10.4,45.8 10.6,45.6 11.8,45.6 12,45.4 12,45 11.8,44.8 10.6,44.8 10.4,44.6 10.4,43.07 10.28,42.95 10.07,42.95 9.95,42.83 9.95,42.59 10.07,42.47 10.28,42.47 10.4,42.35 10.4,42.05 10.1,41.75 10.1,41.45 10.4,41.15 10.4,40.81 10.28,40.69 10.12,40.69 10,40.57 10,40.33 10.12,40.21 10.28,40.21 10.4,40.09 10.4,27.2 U7.U5